# Altium PCB ActiTouch_PCB1.PcbDoc
Units mil, origin at the board's own origin, x right, y up, seen from the top; angles counter-clockwise.
Board outline 6000 x 4000 mil, 2 copper layers (Top Layer, Bottom Layer); 66 components, 54 nets, 195 pads, 48 vias.
Unrouted connection lines stored in the file: 18.
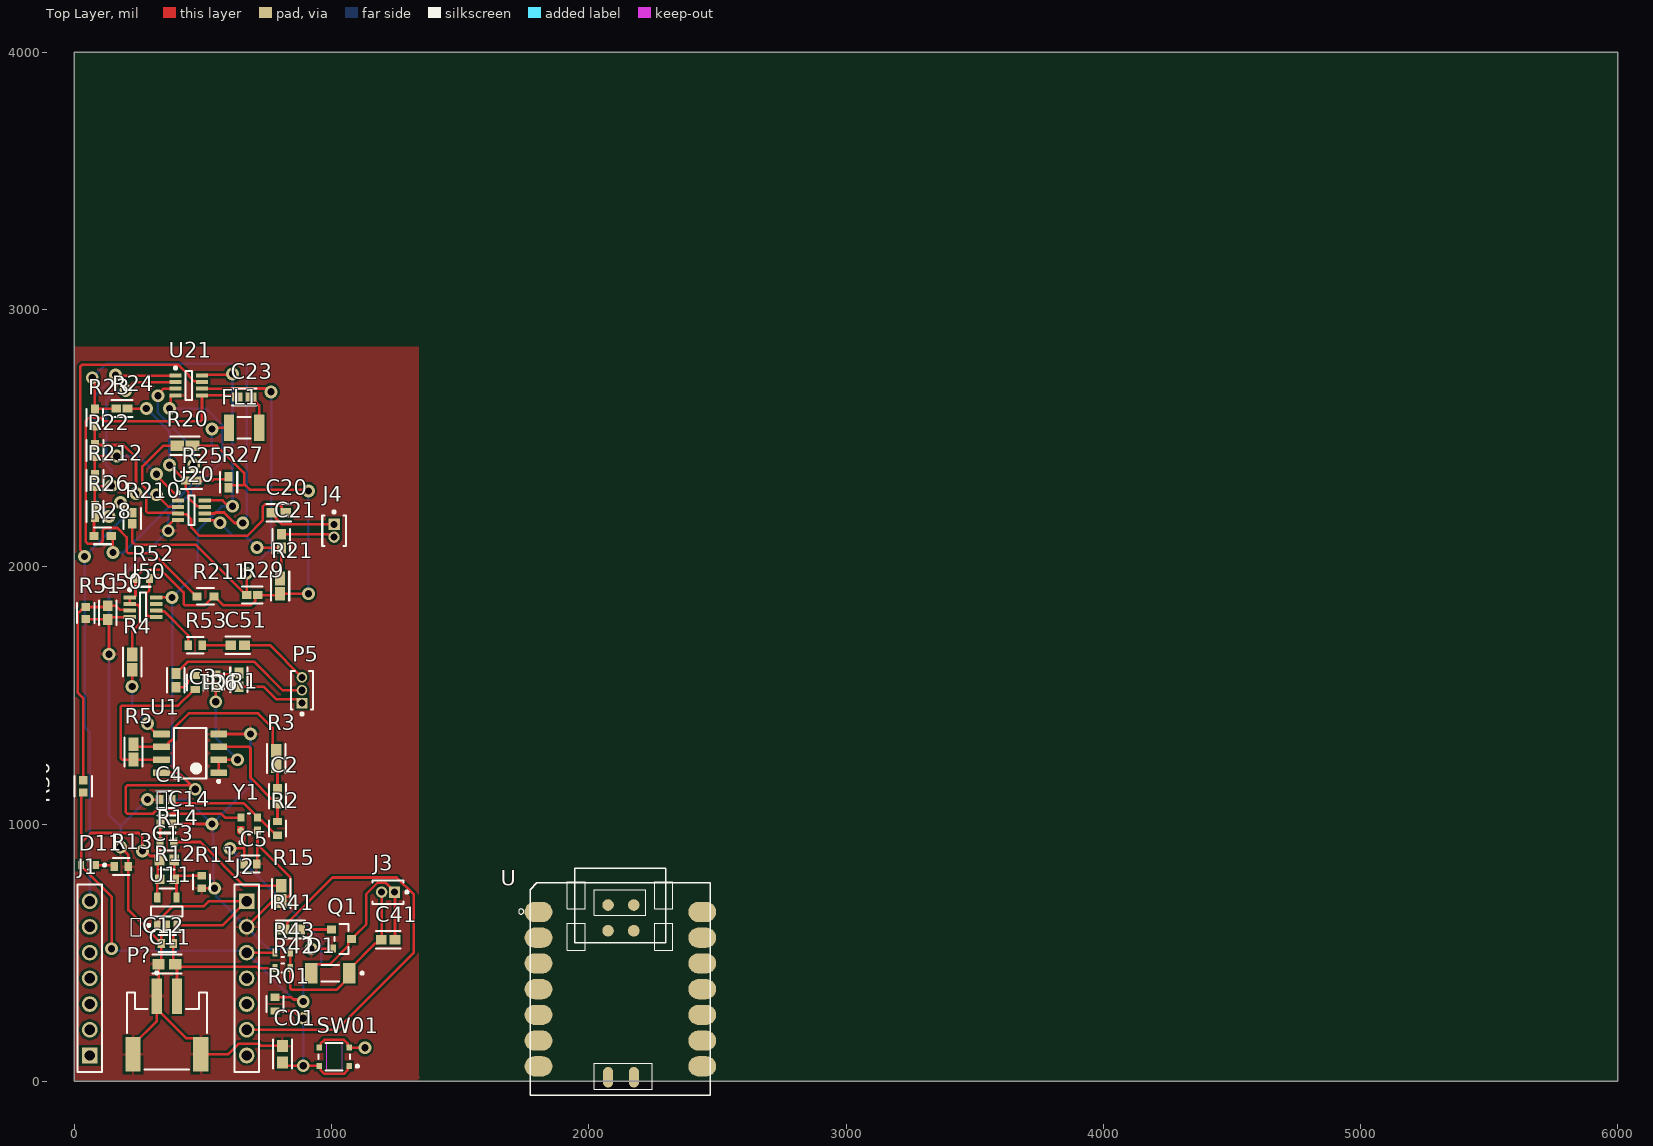
[diagram p0: Top Layer view]
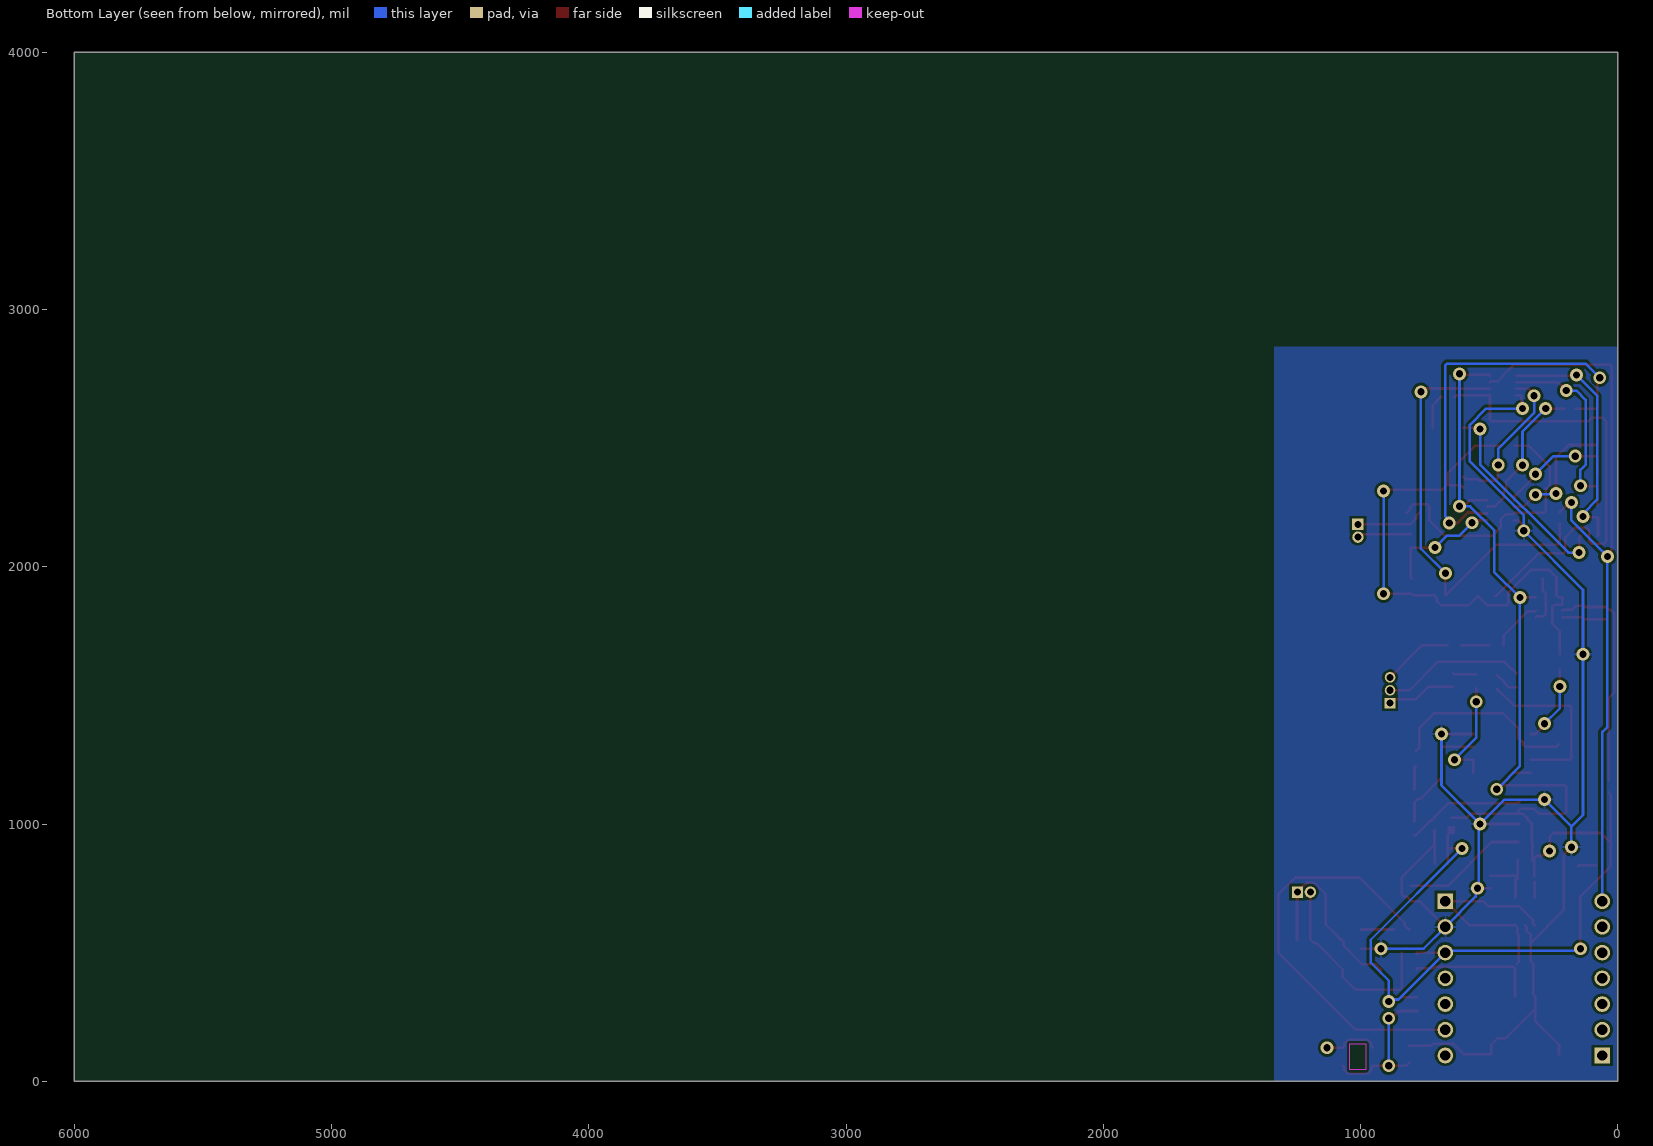
[diagram p1: Bottom Layer view, seen from below]
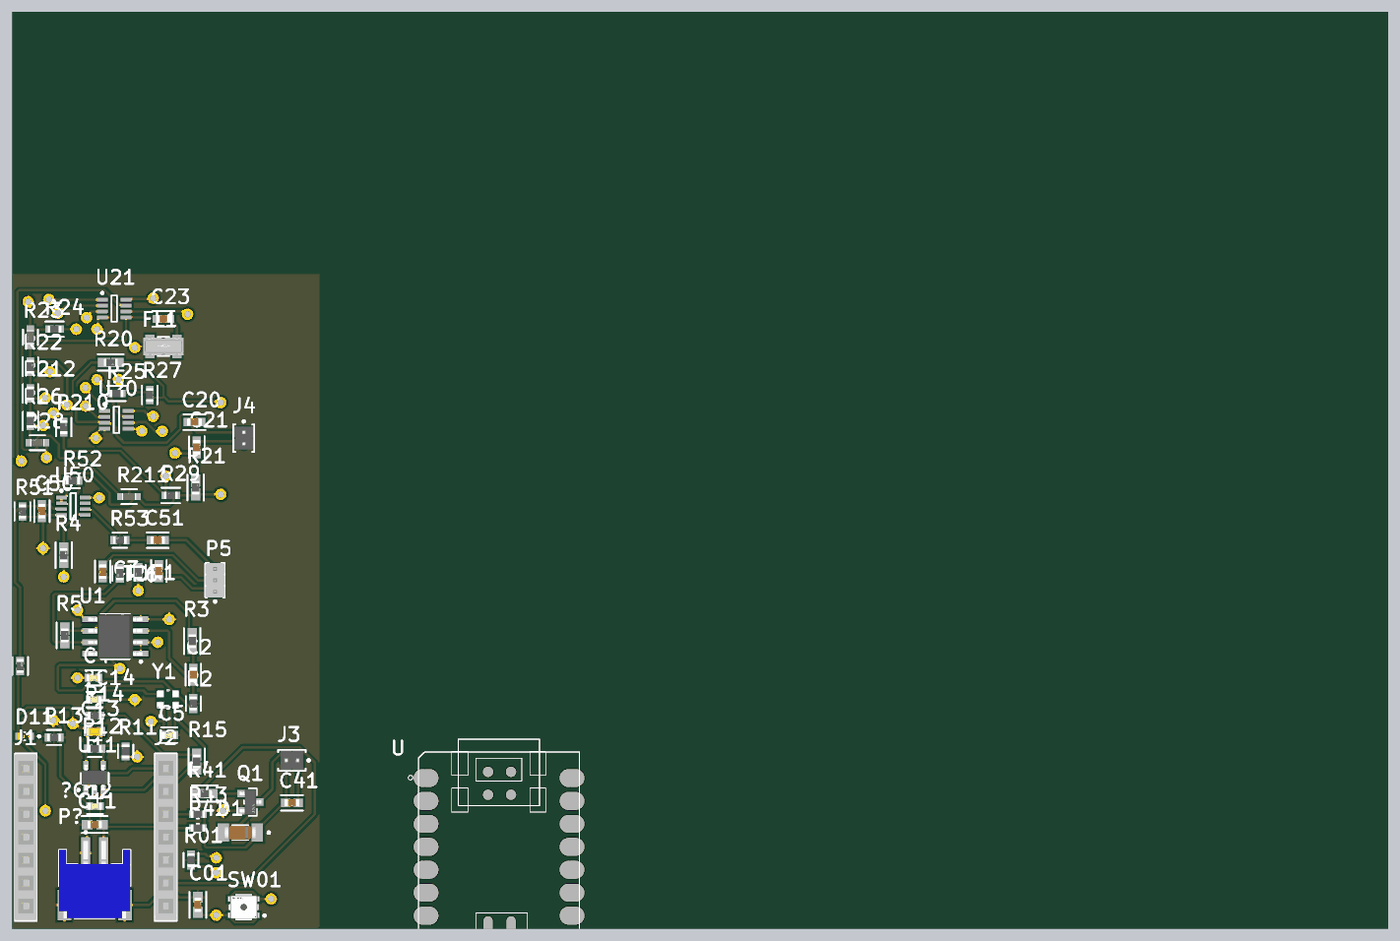
[diagram p2: 3D render of the assembled board from above, using the file's embedded part models]

## Layer stack, top to bottom
Top Solder: solder mask 0.4, Solder Resist, Dk 3.5
Top Layer: signal copper 1.4
Dielectric 1: dielectric 12.6, FR-4, Dk 4.8
Bottom Layer: signal copper 1.4
Bottom Solder: solder mask 0.4, Solder Resist, Dk 3.5

## Board outline
0,0 6000,0 6000,4000 0,4000

## Design rules (kind name [scope] priority, off if disabled: settings)
Clearance [All] p1: gap=10 ignorepadtopadclearanceinfootprint=FALSE except(0: Arc-Hole Track-Hole SMDPad-Hole THPad-Hole Via-Hole Fill-Hole Poly-Hole Region-Hole Text-Hole)
PolygonConnect [All] p1: connectstyle=Relief reliefconductorwidth=10 reliefentries=4 polygonreliefangle="90 Angle" airgapwidth=10
RoomDefinition U_ActiTouch_Transmitter_Sheet1 [InComponentClass('U_ActiTouch_Transmitter_Sheet1')] p1: confinementstyle=ConfineIn formatcopy=TRUE lockcomponents=FALSE outline 5330.96,1325.47 8175.96,1325.47 8175.96,1770.47 5330.96,1770.47
RoomDefinition U_VibrationMotor [InComponentClass('U_VibrationMotor')] p2: confinementstyle=ConfineIn formatcopy=TRUE lockcomponents=FALSE outline 6005,-465 6760,-465 6760,-215 6005,-215
RoomDefinition ActiTouch [InComponentClass('ActiTouch')] p3: confinementstyle=ConfineIn formatcopy=TRUE lockcomponents=FALSE outline 6045,65 6345,65 6345,925 6045,925
RoomDefinition U_ActiTouch_Shield_Sheet1 [InComponentClass('U_ActiTouch_Shield_Sheet1')] p4: confinementstyle=ConfineIn formatcopy=TRUE lockcomponents=FALSE outline -965,-1000 1035,-1000 1035,0 -965,0
RoomDefinition U_ActiTouch_Receiver_Sheet1 [InComponentClass('U_ActiTouch_Receiver_Sheet1')] p5: confinementstyle=ConfineIn formatcopy=TRUE lockcomponents=FALSE outline -980,-1000 1020,-1000 1020,0 -980,0
RoomDefinition U_PowerSupply [InComponentClass('U_PowerSupply')] p6: confinementstyle=ConfineIn formatcopy=TRUE lockcomponents=FALSE outline -1000,-1000 1000,-1000 1000,0 -1000,0
RoutingVias [All] p1: holewidth=28 width=50 viastyle="Through Hole" minholewidth=28 minwidth=50 maxholewidth=28 maxwidth=50
SolderMaskExpansion [All] p1: expansion=4 istentingtop=FALSE
Width [All] p1: maxlimit=10 minlimit=10 preferedwidth=10
30 further rules are at their usual default settings.

## Classes and differential pairs
component class U_VibrationMotor: C41 D1 Q1 R41 R42 R43
component class ActiTouch: C01 J1 J2 J3 J4 P5 R01 SW01 U
component class U_PowerSupply: C12 C14 C11 C12 C13 C14 D11 P? R11 R12 R13 R14 R15 U11
component class U_ActiTouch_Receiver_Sheet1: C20 C21 C23 FL1 R20 R21 R22 R23 R24 R25 R26 R27 R28 R29 R210 R211 R212 U20 U21
component class U_ActiTouch_Shield_Sheet1: C50 C51 R50 R51 R52 R53 U50
component class U_ActiTouch_Transmitter_Sheet1: C1 C2 C3 C4 C5 R1 R2 R3 R4 R5 R6 U1 Y1

## Components (designator, comment, footprint, x,y, rotation, side; value= is the part's Value field where it differs from the comment)
C12 "C0603C104K5RACTU" FP-C0603C-CF-MFG 361.38,535 r180 top value="0.10 μF"
C14 "C0603C104K5RACTU" FP-C0603C-CF-MFG 358.62,1000 r0 top value="0.10 μF"
C01 "1uF" FP-0603-L_1_6_0_15-W_0_81-IPC_A 810,105 r90 top
C1 "EMK107B7104KAHT" FP-0603-L_1_6_0_1-W_0_8_0-IPC_B 640,1560 r270 top
C2 "EMK107B7104KAHT" FP-0603-L_1_6_0_1-W_0_8_0-IPC_B 790,1108.34 r90 top
C3 "EMK107B7104KAHT" FP-0603-L_1_6_0_1-W_0_8_0-IPC_B 395,1558.34 r90 top
C4 "C0603C104K5RACTU" FP-C0603C-CF-MFG 355,1095 r180 top value="0.10 μF"
C5 "C0603C104K5RACTU" FP-C0603C-CF-MFG 685,845 r0 top value="0.10 μF"
C11 "0603ZD105KAT2A" FP-0603-L_1_6_0_15-W_0_81-IPC_A 360,455 r180 top
C13 "GRM188R71H103KA01D" CAPC1608X90X35ML10T15 360,860 r180 top
C20 "EMK107B7104KAHT" FP-0603-L_1_6_0_1-W_0_8_0-IPC_B 795,2210 r0 top
C21 "EMK107B7104KAHT" FP-0603-L_1_6_0_1-W_0_8_0-IPC_B 805,2100 r270 top
C23 "EMK107B7104KAHT" FP-0603-L_1_6_0_1-W_0_8_0-IPC_B 660,2660 r180 top
C41 "EMK107B7104KAHT" FP-0603-L_1_6_0_1-W_0_8_0-IPC_B 1220,550 r180 top
C50 "EMK107B7104KAHT" FP-0603-L_1_6_0_1-W_0_8_0-IPC_B 130,1821.66 r90 top
C51 "EMK107B7104KAHT" FP-0603-L_1_6_0_1-W_0_8_0-IPC_B 635,1695 r180 top
D1 "LS4448GS08" FP-6_560-5006_01-4-MFG 995,420 r180 top value=4pF
D11 "TLMP1100-GS08" FP-6_541-5056_01-4-MFG 55,840 r180 top
FL1 "CDSCB10M7GA121-R0" FP-CDSCB10M7GA121-R0-MFG 660,2540 r0 top
J1 "SSQ-107-01-G-S" SMTC-SSQ-107-01-X-S 60,100 r90 top
J2 "SSQ-107-01-G-S" SMTC-SSQ-107-01-X-S 670,700 r270 top
J3 "GRPB021VWVN-RC" FP-GRPB021VWVN-RC-MFG 1220,735 r180 top
J4 "GRPB021VWVN-RC" FP-GRPB021VWVN-RC-MFG 1010,2140 r270 top
P5 "GRPB031VWVN-RC" SLIN-GRPB031VWVN-RC_V 885,1520 r90 top
P? "S2B-PH-SM4-TB(LF)(SN)" "JST- S2B-PH-SM4-TB(LF)(SN)-2_V" 360,195 r0 top
Q1 "DMG2302UK-7" FP-SOT23-MFG 1038.88,552.94 r0 top
R01 "10K" FP-RNCP0603-MFG 780,300 r270 top
R1 "RNCP0603FTD10R0" FP-RNCP0603-MFG 550,1555 r90 top
R2 "RNCP0603FTD10R0" FP-RNCP0603-MFG 790,982.93 r90 top
R3 "RNCP0603FTD10K0" FP-RNCP0603-IPC_A 785,1255 r90 top
R4 "RNCP0603FTD10K0" FP-RNCP0603-IPC_A 225,1629.59 r270 top
R5 "RNCP0603FTD10K0" FP-RNCP0603-IPC_A 230,1280 r270 top
R6 "RNCP0603FTD10R0" FP-RNCP0603-MFG 470,1550 r90 top
R11 "CRCW060318K7FKEA" FP-CRCW0603-e3-IPC_C 495,774.23 r90 top
R12 "CRCW060311K5FKEA" FP-CRCW0603-e3-IPC_B 360,785 r180 top
R13 "RNCP0603FTD60" FP-RNCP0603-MFG 182.93,835 r0 top
R14 "RNCP0603FTD10K0" FP-RNCP0603-MFG 360,930 r0 top
R15 "RNCP0603FTD10K0" FP-RNCP0603-IPC_A 805,730 r270 top
R20 "RNCP0603FTD10K0" FP-RNCP0603-IPC_A 430,2470 r180 top
R21 "RNCP0603FTD10K0" FP-RNCP0603-IPC_A 800,1924.59 r270 top
R22 "RNCP0603FTD1K00" FP-RNCP0603-IPC_C 80,2451.71 r270 top
R23 "AC0603FR-07402RL" FP-AC0603-MFG 80,2580 r270 top value=402Ω
R24 "RNCP0603FTD1K00" FP-RNCP0603-IPC_C 185,2615 r0 top
R25 "RNCP0603FTD200R" FP-RNCP0603-IPC_C 455,2335 r0 top
R26 "RNCP0603FTD1K00" FP-RNCP0603-IPC_C 80,2215 r90 top
R27 "RNCP0603FTD1K00" FP-RNCP0603-IPC_C 600,2328.29 r90 top
R28 "AC0603FR-07330RL" FP-AC0603-MFG 110,2120 r180 top value=330Ω
R29 "RNCP0603FTD1K00" FP-RNCP0603-IPC_C 691.71,1890 r0 top
R41 "RNCP0603FTD10K0" FP-RNCP0603-IPC_A 840,590 r0 top
R42 "ESR03EZPJ101" FP-ESR03-MFG 810,440 r180 top
R43 "ESR03EZPJ101" FP-ESR03-MFG 810,500 r180 top
R50 "RMCF0603FT100K" FP-RMCF0603-IPC_C 35,1146.34 r90 top
R51 "RMCF0603FT100K" FP-RMCF0603-IPC_C 45,1820 r270 top
R52 "RNCP0603FTD10R0" FP-RNCP0603-MFG 265,1955 r0 top
R53 "RNCP0603FTD10R0" FP-RNCP0603-MFG 470,1695 r0 top
R210 "RNCP0603FTD1K00" FP-RNCP0603-IPC_C 225,2188.29 r270 top
R211 "AC0603FR-07330RL" FP-AC0603-MFG 510,1885 r180 top value=330Ω
R212 "RNCP0603FTD200R" FP-RNCP0603-IPC_C 80,2335 r270 top
SW01 "EVPAF7B70" FP-EVPAF7B70-MFG 1010,95 r180 top
U "SeeeduinoXIAO" "Seeeduino XIAO-MOUDLE14P-2.54-21X17.8MM" 1771.9,-55.32 r0 top
U1 "OPA2836IDR" D0008A_M 450,1275 r180 top
U11 "REG102NA-3.3/3K" DBV0005A_N 360,660 r90 top
U20 "LTC6253ITS8#TRMPBF" LT-TS8-8-TSOT-23_V 455,2220 r0 top
U21 "LTC6253ITS8#TRMPBF" LT-TS8-8-TSOT-23_V 445,2705 r0 top
U50 "LTC6253ITS8#TRMPBF" LT-TS8-8-TSOT-23_V 266.57,1842.8 r0 top
Y1 "DSC6003MI2A-010.7000T" FP-C04-1202-MFG 680,1000 r0 top

## Footprints (in the part's own frame and the unit in brackets; to place one, negate y for a bottom-side part, rotate by r counter-clockwise, add the part's x,y. Pads: shape width x height; smd on the part's side, far side on the other; paste and mask are expansions set on the pad)
CAPC1608X90X35ML10T15 [mm] "Chip Capacitor, 2-Leads, Body 1.7x0.9mm, IPC Low Density"
  rect 0.95x1.05 smd: 1(-0.725,0) 2(0.725,0)
  body extent -0.85,-0.45 0.85,0.45, height 0.9
D0008A_M [mm] "SOIC, 8-Leads, Body 5x4mm, Pitch 1.27mm, IPC Low Density"
  rrect15% 1.65x0.65 smd: 1(-2.825,1.905) 2(-2.825,0.635) 3(-2.825,-0.635) 4(-2.825,-1.905) 5(2.825,-1.905) 6(2.825,-0.635) 7(2.825,0.635) 8(2.825,1.905)
  silkscreen extent -2.95,-2.5 1.6,2.9, body extent -3,-2.45 3,2.45, height 1.63
DBV0005A_N [mm] "SOT23, 5-Leads, Body 3.05x1.75mm, Pitch 0.95mm, IPC Medium Density"
  rrect17% 1x0.6 smd: 1(-1.375,0.95) 2(-1.375,0) 3(-1.375,-0.95) 4(1.375,-0.95) 5(1.375,0.95)
  silkscreen extent -1.5,-1.55 0.5,1.92, body extent -1.42,-1.46 1.42,1.46, height 1.08
FP-6_541-5056_01-4-MFG [mm]
  rect 0.6x0.8 smd paste+0 mask+0: 1(-0.725,0) 2(0.725,0)
  silkscreen extent -1.73,-0.45 0.05,0.45, body extent -1.12,-0.55 1.12,0.55, height 0.25
FP-6_560-5006_01-4-MFG [mm]
  rect 1.25x2 smd paste+0 mask+0: 1(-1.875,0) 2(1.875,0)
  silkscreen extent -3.27,-0.8 0.87,0.8, body extent -2.6,-1.1 2.6,1.1, height 0.25
FP-0603-L_1_6_0_1-W_0_8_0-IPC_B [mil]
  rect 41.64x35.91 smd paste+0 mask+0: 1(-26.66,0) 2(26.66,0)
  silkscreen extent -47,-34 47,34, body extent -57,-28 57,28, height 10
FP-0603-L_1_6_0_15-W_0_81-IPC_A [mil]
  rect 47.5x42.06 smd paste+0 mask+0: 1(-32.51,0) 2(32.51,0)
  silkscreen extent -56,-37 56,37, body extent -76,-41 76,41, height 10
FP-AC0603-MFG [mm]
  rect 0.9x0.8 smd paste+0 mask+0: 1(-0.85,0) 2(0.85,0)
  silkscreen extent -0.85,-0.82 0.85,0.82, body extent -1.4,-0.55 1.4,0.55, height 0.25
FP-C04-1202-MFG [mm]
  round 0.63 smd paste+0 mask+0: 1(-0.825,-0.625)
  rect 0.7x0.8 smd paste+0 mask+0: 2(0.825,-0.625) 3(0.825,0.625) 4(-0.825,0.625)
  Top Layer region: -1.175,-0.225 -0.475,-0.225 -0.475,-1.025 -1.045,-1.025 -1.175,-0.895
  silkscreen extent -0.95,-1.95 0.1,1.02, body extent -1.78,-1.53 1.78,1.53, height 0.25
FP-C0603C-CF-MFG [mm]
  rect 0.75x0.9 smd paste+0 mask+0: 1(-0.6,0) 2(0.6,0)
  silkscreen extent -0.87,-0.85 0.88,0.85, body extent -1.2,-0.6 1.2,0.6, height 0.25
FP-CDSCB10M7GA121-R0-MFG [mm]
  rect 1x2.6 smd paste+0 mask+0: 1(-1.5,0) 2(1.5,0)
  silkscreen extent -0.63,-1.05 0.63,1.05, body extent -2.4,-1.4 2.4,1.4, height 0.25
FP-CRCW0603-e3-IPC_B [mil]
  rect 36.81x37.88 smd paste+0 mask+0: 1(-28.17,0) 2(28.17,0)
  silkscreen extent -30,-37 30,35, body extent -56,-29 56,29, height 10
FP-CRCW0603-e3-IPC_C [mil]
  rect 28.94x33.94 smd paste+0 mask+0: 1(-24.23,0) 2(24.23,0)
  silkscreen extent -30,-33 30,33, body extent -43,-23 43,23, height 10
FP-ESR03-MFG [mm]
  rect 0.5x0.8 smd paste+0 mask+0: 1(-0.75,0) 2(0.75,0)
  silkscreen extent -0.13,-0.45 0.13,0.45, body extent -1.1,-0.55 1.1,0.55, height 0.25
FP-EVPAF7B70-MFG [mm]
  rect 0.55x0.6 smd paste+0 mask+0: A(-1.475,0.9) A'(1.475,0.9) B(-1.475,-0.9) B'(1.475,-0.9)
  Keep-Out Layer region: -0.8,-1.3 0.8,-1.3 0.8,1.3 -0.8,1.3
  silkscreen extent -2.43,-1.35 1.55,1.35, body extent -1.85,-1.45 1.85,1.45, height 0.25
FP-GRPB021VWVN-RC-MFG [mm]
  rect 1.12x1.12 hole 0.7 paste-1000 mask+0: 1(-0.635,0)
  round 1.12 hole 0.7 paste-1000 mask+0: 2(0.635,0)
  silkscreen extent -1.97,-1.17 1.52,1.17, body extent -1.62,-1.27 1.62,1.27, height 0.25
FP-RMCF0603-IPC_C [mil]
  rect 31.73x33.79 smd paste+0 mask+0: 1(-23.66,0) 2(23.66,0)
  silkscreen extent -40,-34 40,34, body extent -43,-23 43,23, height 10
FP-RNCP0603-IPC_A [mil]
  rect 53.27x39.85 smd paste+0 mask+0: 1(-29.59,0) 2(29.59,0)
  silkscreen extent -56,-36 56,36, body extent -76,-40 76,40, height 10
FP-RNCP0603-IPC_C [mil]
  rect 37.52x31.97 smd paste+0 mask+0: 1(-21.71,0) 2(21.71,0)
  silkscreen extent -40,-33 40,33, body extent -44,-22 44,22, height 10
FP-RNCP0603-MFG [mm]
  rect 0.725x0.9 smd paste+0 mask+0: 1(-0.687,0) 2(0.687,0)
  silkscreen extent -0.81,-0.83 0.8,0.82, body extent -1.15,-0.55 1.15,0.55, height 0.25
FP-SOT23-MFG [mm]
  rect 0.9x0.8 smd paste+0 mask+0: 1(-1,0.95) 2(-1,-0.95) 3(1,0)
  silkscreen extent -0.7,-1.5 0.7,1.5, body extent -1.55,-1.6 1.55,1.6, height 0.25
"JST- S2B-PH-SM4-TB(LF)(SN)-2_V" [mm] "SMD, 2-Leads, Body 7.9x7.6mm, Pitch 2mm"
  rect 1x3.5 smd: 1(-1,3.45) 2(1,3.45)
  rect 1.5x3.4 smd: MP1(-3.35,-2.3) MP2(3.35,-2.3)
  silkscreen extent -3.95,-3.8 3.95,5.87, body extent -3.95,-3.8 3.95,4.8, height 5.6
LT-TS8-8-TSOT-23_V [mm] "SOT23, 8-Leads, Body 2.90x1.63mm, Pitch 0.65mm, IPC High Density, Recommended"
  rect 1.22x0.4 smd: 1(-1.31,0.975) 2(-1.31,0.325) 3(-1.31,-0.325) 4(-1.31,-0.975) 5(1.31,-0.975) 6(1.31,-0.325) 7(1.31,0.325) 8(1.31,0.975)
  silkscreen extent -1.43,-1.45 0.3,1.85, body extent -0.87,-1.45 0.88,1.45, height 1
"Seeeduino XIAO-MOUDLE14P-2.54-21X17.8MM" [mil]
  rrect100% 108.2x78.7 smd: 1(32.8,713.3) 2(32.8,613.3) 3(32.8,513.3) 4(32.8,413.3) 5(32.8,313.3) 6(32.8,213.3) 7(32.8,113.3) 8(669.2,113.3) 9(669.2,213.3) 10(669.2,313.3) 11(669.2,413.3) 12(669.2,513.3) 13(669.2,613.3) 14(669.2,713.3)
  rrect100% 40x80 smd: 15(303.15,70.87) 16(403.54,70.87)
  round 45 smd: 17(303.1,740.32) 18(403.1,740.32) 19(303.1,640.32) 20(403.1,640.32)
  silkscreen extent -45,0 701,883
SLIN-GRPB031VWVN-RC_V [mm] "Header, 3-Leads, Body 3.81x2.14mm, Pitch 1.27mm"
  rect 1.05x1.05 hole 0.7: 1(-1.27,0)
  round 1.05 hole 0.7: 2(0,0) 3(1.27,0)
  silkscreen extent -2.47,-1.07 1.91,1.07, body extent -1.9,-1.07 1.91,1.07, height 4
SMTC-SSQ-107-01-X-S [mm] "SQ Post Socket, 1x7 Pins, Vertical, 2.54mm Pitch, Female"
  rect 1.55x1.55 hole 1.02: 1(0,0)
  round 1.55 hole 1.02: 2(2.54,0) 3(5.08,0) 4(7.62,0) 5(10.16,0) 6(12.7,0) 7(15.24,0)
  silkscreen extent -1.65,-1.2 16.89,1.2, body extent -1.52,-1.21 16.76,1.21, height 8.51

## Part data
C12 C14 C4 C5: library part CMP-2006-03061-2, "CAP CER 0.1UF 50V X7R 0603", Capacitance="0.10 μF", Manufacturer=KEMET, Package=C0603C-CF, Temperature="-55°C to +125°C", Temperature Characteristic=X7R, Temperature Coefficient=30ppm/°C, Temperature Range High=+125°C, Temperature Range Low=-55°C, Tolerance=0.1, Voltage Rating="50 V", Automotive=Yes, Automotive Grade="Grade 1", Category=Cap, ComponentLink2Description=Datasheet, ComponentLink2URL=https://api.kemet.com/component-edge/download/datasheet/C0603C100J5GACAUTO.pdf, Device Class L1="Passive Components", Device Class L2=Capacitors, Device Class L3="Ceramic Capacitors", Digikey Description="CAP CER 0.1UF 50V X7R 0603", Height=0.87mm, Lead Free=Yes, Manufacturer Part Number=C0603C104K5RACTU, Material=Ceramic, Octopart=https://octopart.com/c0603c104k5ractu-kemet-139244, RoHS=TRUE
C01: library part CMP-2006-04559-3, "General Purpose Ceramic Capacitor, 0603, 1uF, 10%, X5R, 15%, 10V", Case Code (Imperial)=0603, Case Code (Metric)=1608, Dielectric=X5R, Insulation Resistance=100GR, Max Operating Temperature=85°C, Min Operating Temperature=-55°C, Package Quantity=4000, Tolerance=10%, Voltage=10V, Capacitance=1uF, Case/Package=0603, Construction=Flat, Contact Plating=Tin, Depth=0.81mm, Dissipation Factor=5%, Height=0.9mm, Lead Free="Lead Free", Length=1.6mm, Mount="Surface Mount", Number of Pins=2, Packaging="Tape and Reel", Radiation Hardening=No, REACH SVHC="No SVHC", RoHS Compliant=Yes, Series=-, Termination=SMD/SMT, Thickness=0.035inch, Voltage Rating=10V, Voltage Rating (DC)=10V, Width=0.81mm
C1 C2 C3 C20 C21 C23 C41 C50 C51: library part CMP-14477-003798-2, "None", Capacitance=100nF, Case/Package=0603, Package Quantity=4000, Tolerance=10%, Voltage Rating=16V, Halogen Free="Halogen Free", Lead Free="Lead Free", Packaging="Tape and Reel", Voltage Rating (DC)=16V
C11: library part CMP-2006-04559-3, "General Purpose Ceramic Capacitor, 0603, 1uF, 10%, X5R, 15%, 10V", Capacitance=1uF, Case Code (Imperial)=0603, Case Code (Metric)=1608, Dielectric=X5R, Insulation Resistance=100GR, Max Operating Temperature=85°C, Min Operating Temperature=-55°C, Package Quantity=4000, Tolerance=10%, Voltage=10V, Case/Package=0603, Construction=Flat, Contact Plating=Tin, Depth=0.81mm, Dissipation Factor=5%, Height=0.9mm, Lead Free="Lead Free", Length=1.6mm, Mount="Surface Mount", Number of Pins=2, Packaging="Tape and Reel", Radiation Hardening=No, REACH SVHC="No SVHC", RoHS Compliant=Yes, Series=-, Termination=SMD/SMT, Thickness=0.035inch, Voltage Rating=10V, Voltage Rating (DC)=10V, Width=0.81mm
C13: library part CMP-2100-03642-1, "Chip Capacitor, 10 nF, +/- 10%, 50 V, -55 to 125 degC, 0603 (1608 Metric), RoHS, Tape and Reel", Capacitance=10nF, Case Code (Imperial)=0603, Case Code (Metric)=1608, Dielectric=X7R, Dielectric Material=Ceramic, Insulation Resistance=10GR, Manufacturer=Murata, Max Operating Temperature=125degC, Min Operating Temperature=-55degC, Package Description="2-Pin Surface Mount Device, Body 1.6 x 0.8 mm", Package Quantity=1, Tolerance=10%, Voltage=50V, Case/Package=0603, Datasheet URL=http://search.murata.co.jp/Ceramy/image/img/A01X/G101/ENG/GRM188R71H103KA01-01.pdf, Datasheet Version=42401.0, Depth=0.8mm, Height=0.8mm, Lead Free=LeadFree, Length=1.6mm, Manufacturer URL=http://www.murata.com/, Material=Ceramic, Mount=SurfaceMount, Number of Pins=2, Package Reference=0603, Packaging=TapeandReel, REACH SVHC=Unknown, RoHSCompliant=True, Termination=SMD/SMT, Thickness=0.035inch, Voltage Rating=50V, Voltage Rating (DC)=50V, Width=0.031inch
D1: library part CMP-02540-000047-1, "DIODE GEN PURP 100V 300MA SOD80", Capacitance=4pF, Forward Current=300mA, Manufacturer=Vishay, Max Junction Temp=+175°C, Max Repetitive Reverse Voltage=100V, Max Surge Forward Current=2A, Package=6.560-5006.01-4, Peak Reverse Current=5uA, Reverse Voltage=75V, Temperature="to +175°C", Automotive=Yes, Automotive Grade="Grade 0", Category=Diode, ComponentLink2Description=Datasheet, ComponentLink2URL=http://www.vishay.com/docs/85561/ls4148.pdf, Device Class L1="Discrete Semiconductors", Device Class L2=Diodes, Device Class L3="Rectifier Diodes", Digikey Description="DIODE GEN PURP 100V 300MA SOD80", Height=1.6mm, Lead Free=Yes, Manufacturer Part Number=LS4448GS08, Mouser Description="Diodes - General Purpose, Power, Switching 100V Io/150mA 2.0 Amp IFSM", Octopart=https://octopart.com/ls4448gs08-vishay-55433966, RoHS=TRUE, Temperature Range High=+175°C
D11: library part CMP-02520-000009-1, "LED GREEN 0603 SMD", Ambient Temperature Range High=+100°C, Ambient Temperature Range Low=-40°C, Colour="Pure green", Forward Current=20mA, Forward Voltage=2.1V, Manufacturer=Vishay, Max Junction Temp=+120°C, Package=6.541-5056.01-4, Power Dissipation=90mW, Reverse Voltage=6V, Temperature="to +120°C", Automotive=Yes, Automotive Grade="Grade 3", Category=Diode, ComponentLink2Description=Datasheet, ComponentLink2URL=http://www.vishay.com/docs/83173/tlmb1100.pdf, Device Class L1=Optoelectronics, Device Class L2=LEDs, Device Class L3=unset, Digikey Description="LED GREEN 0603 SMD", Height=0.65mm, Lead Free=Yes, Led Orientation="Top View", Luminous Intensity=15mcd, Manufacturer Part Number=TLMP1100-GS08, Mouser Description="Standard LEDs - SMD Pure Green", Octopart=https://octopart.com/tlmp1100-gs08-vishay-55433993, Peak Emmision Wavelength=562nm, RoHS=TRUE, Temperature Range High=+120°C, Viewing Angle=160°, Wavelength=561nm